# Altium PCB 200330 DISCHARGE R2.PcbDoc (part 1 of 2)
Units mm, origin at the board's own origin, x right, y up, seen from the top; angles counter-clockwise.
Board outline 130 x 110 mm, 4 copper layers (Top Layer, Int1 (GND), Int2 (PWR), Bottom Layer), stack 1.369 mm thick; 198 components, 115 nets, 608 pads, 274 vias.
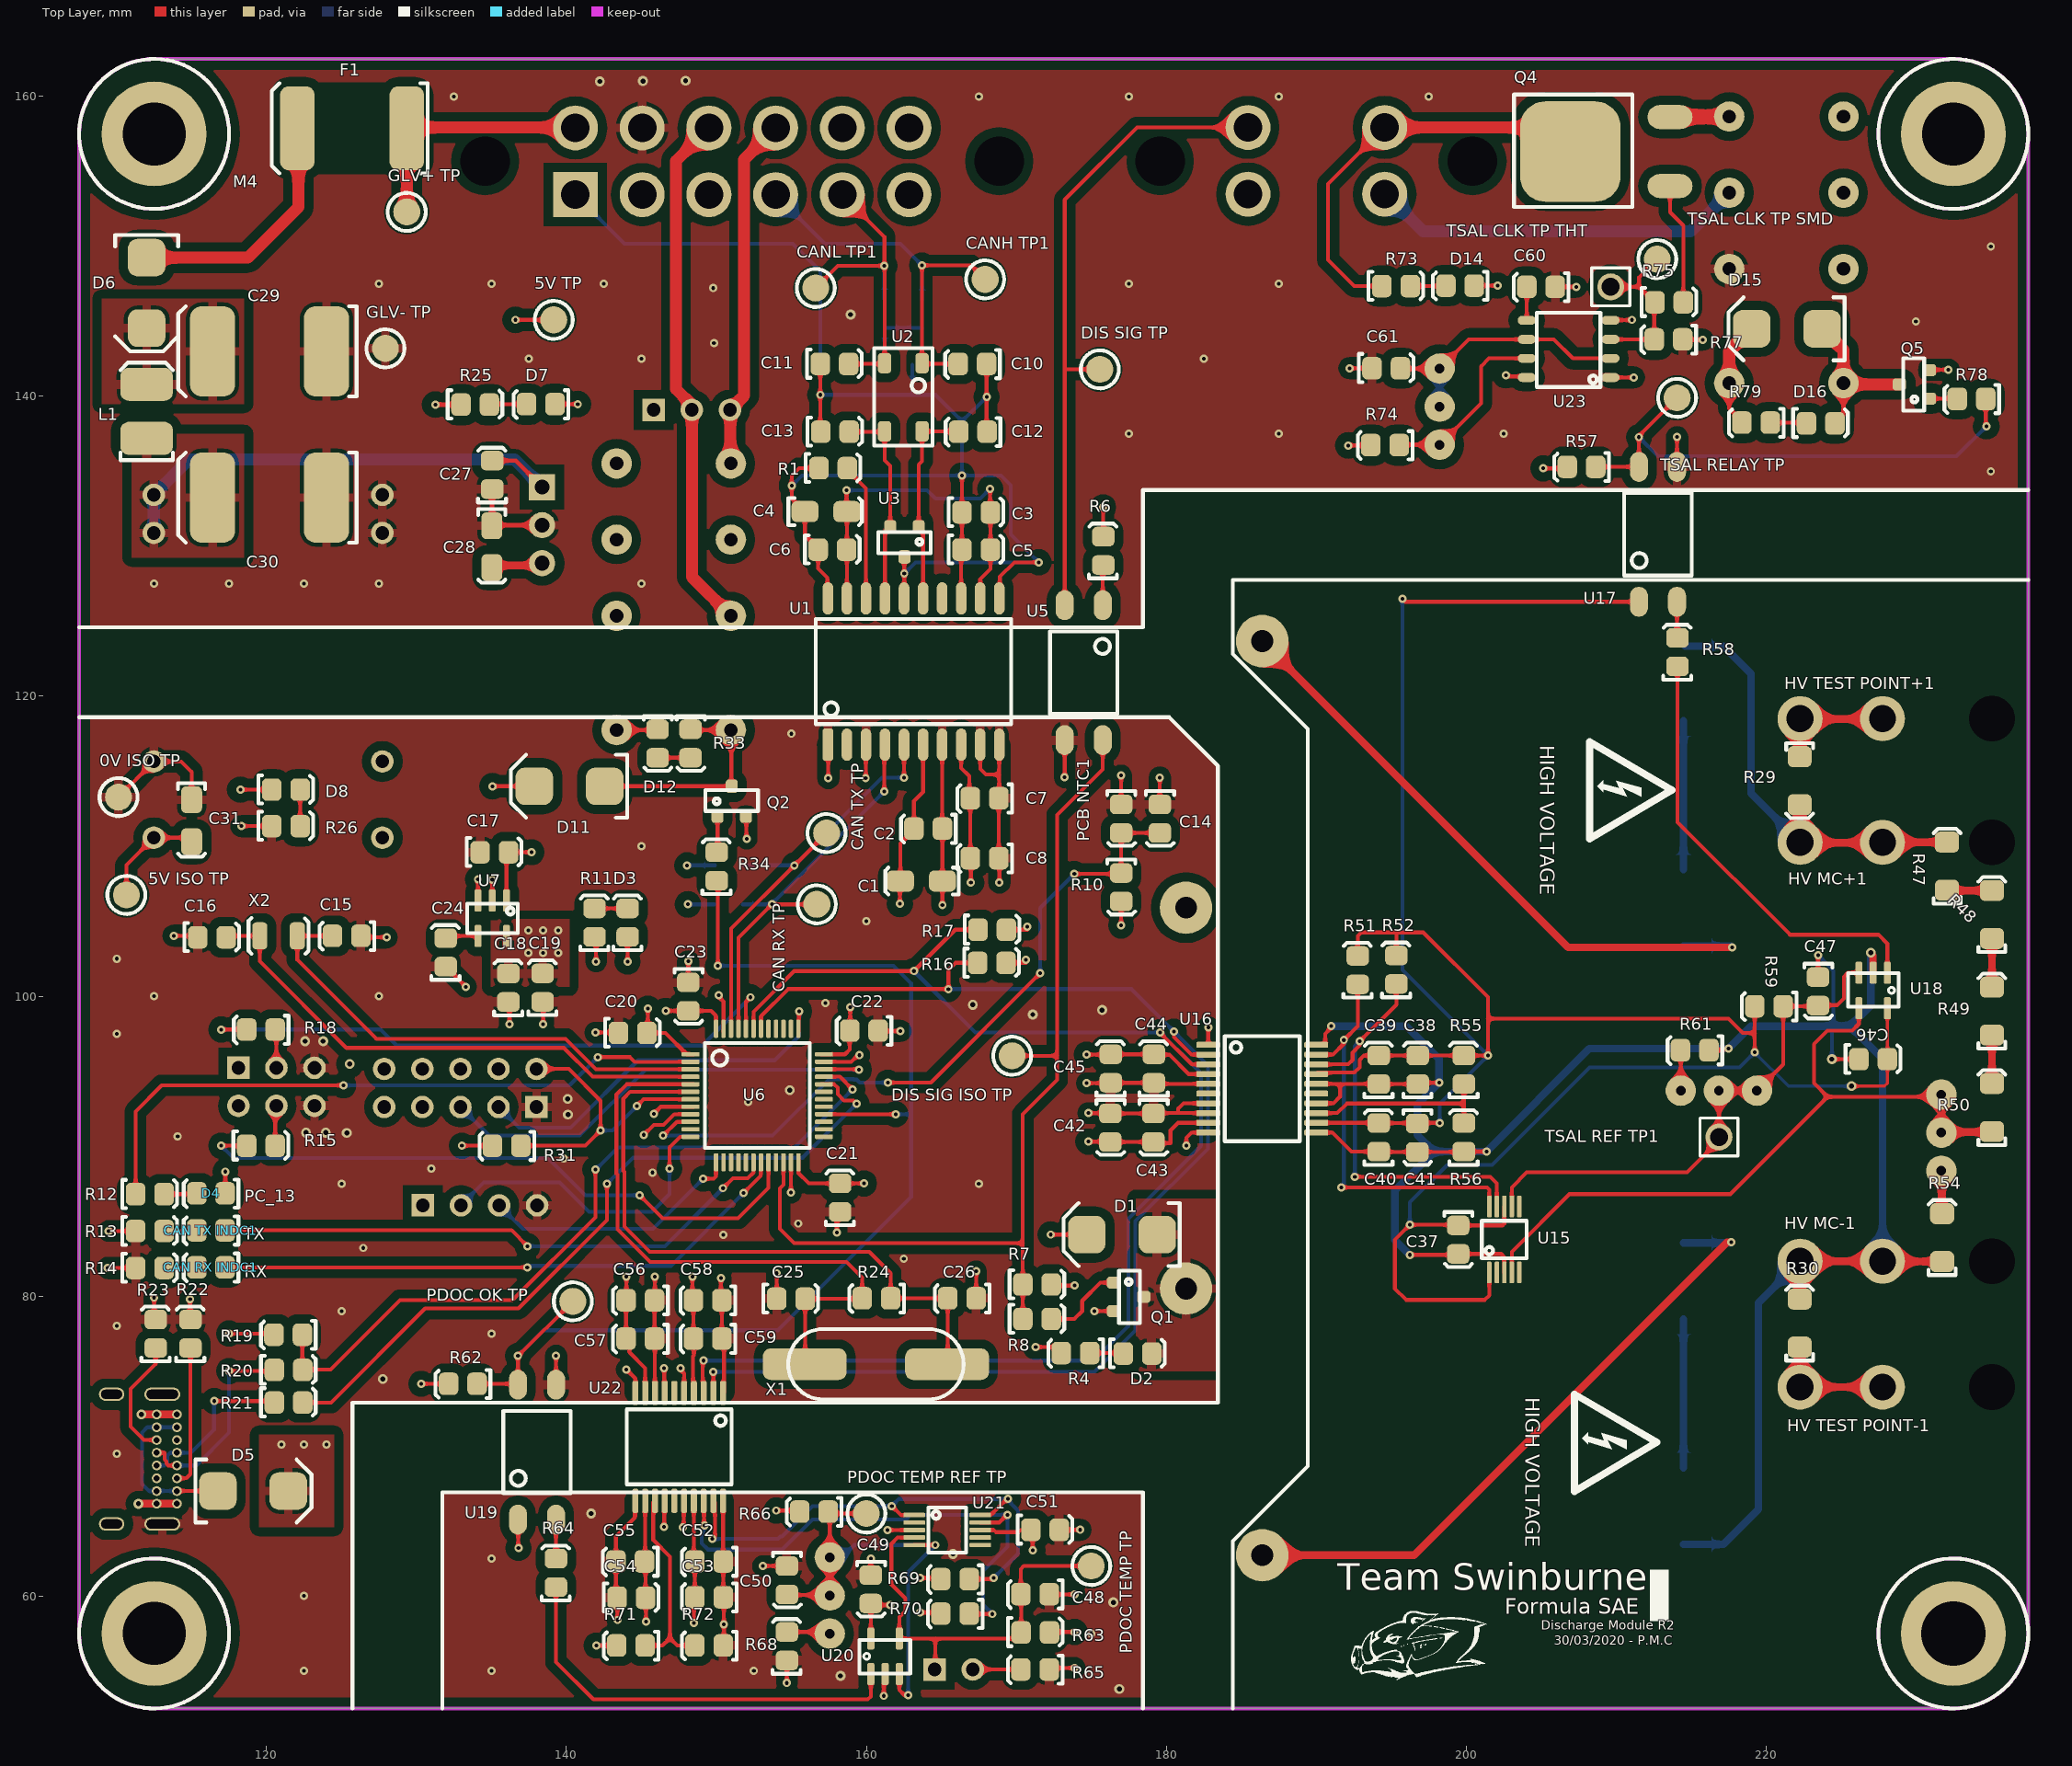
[diagram p0: Top Layer view]
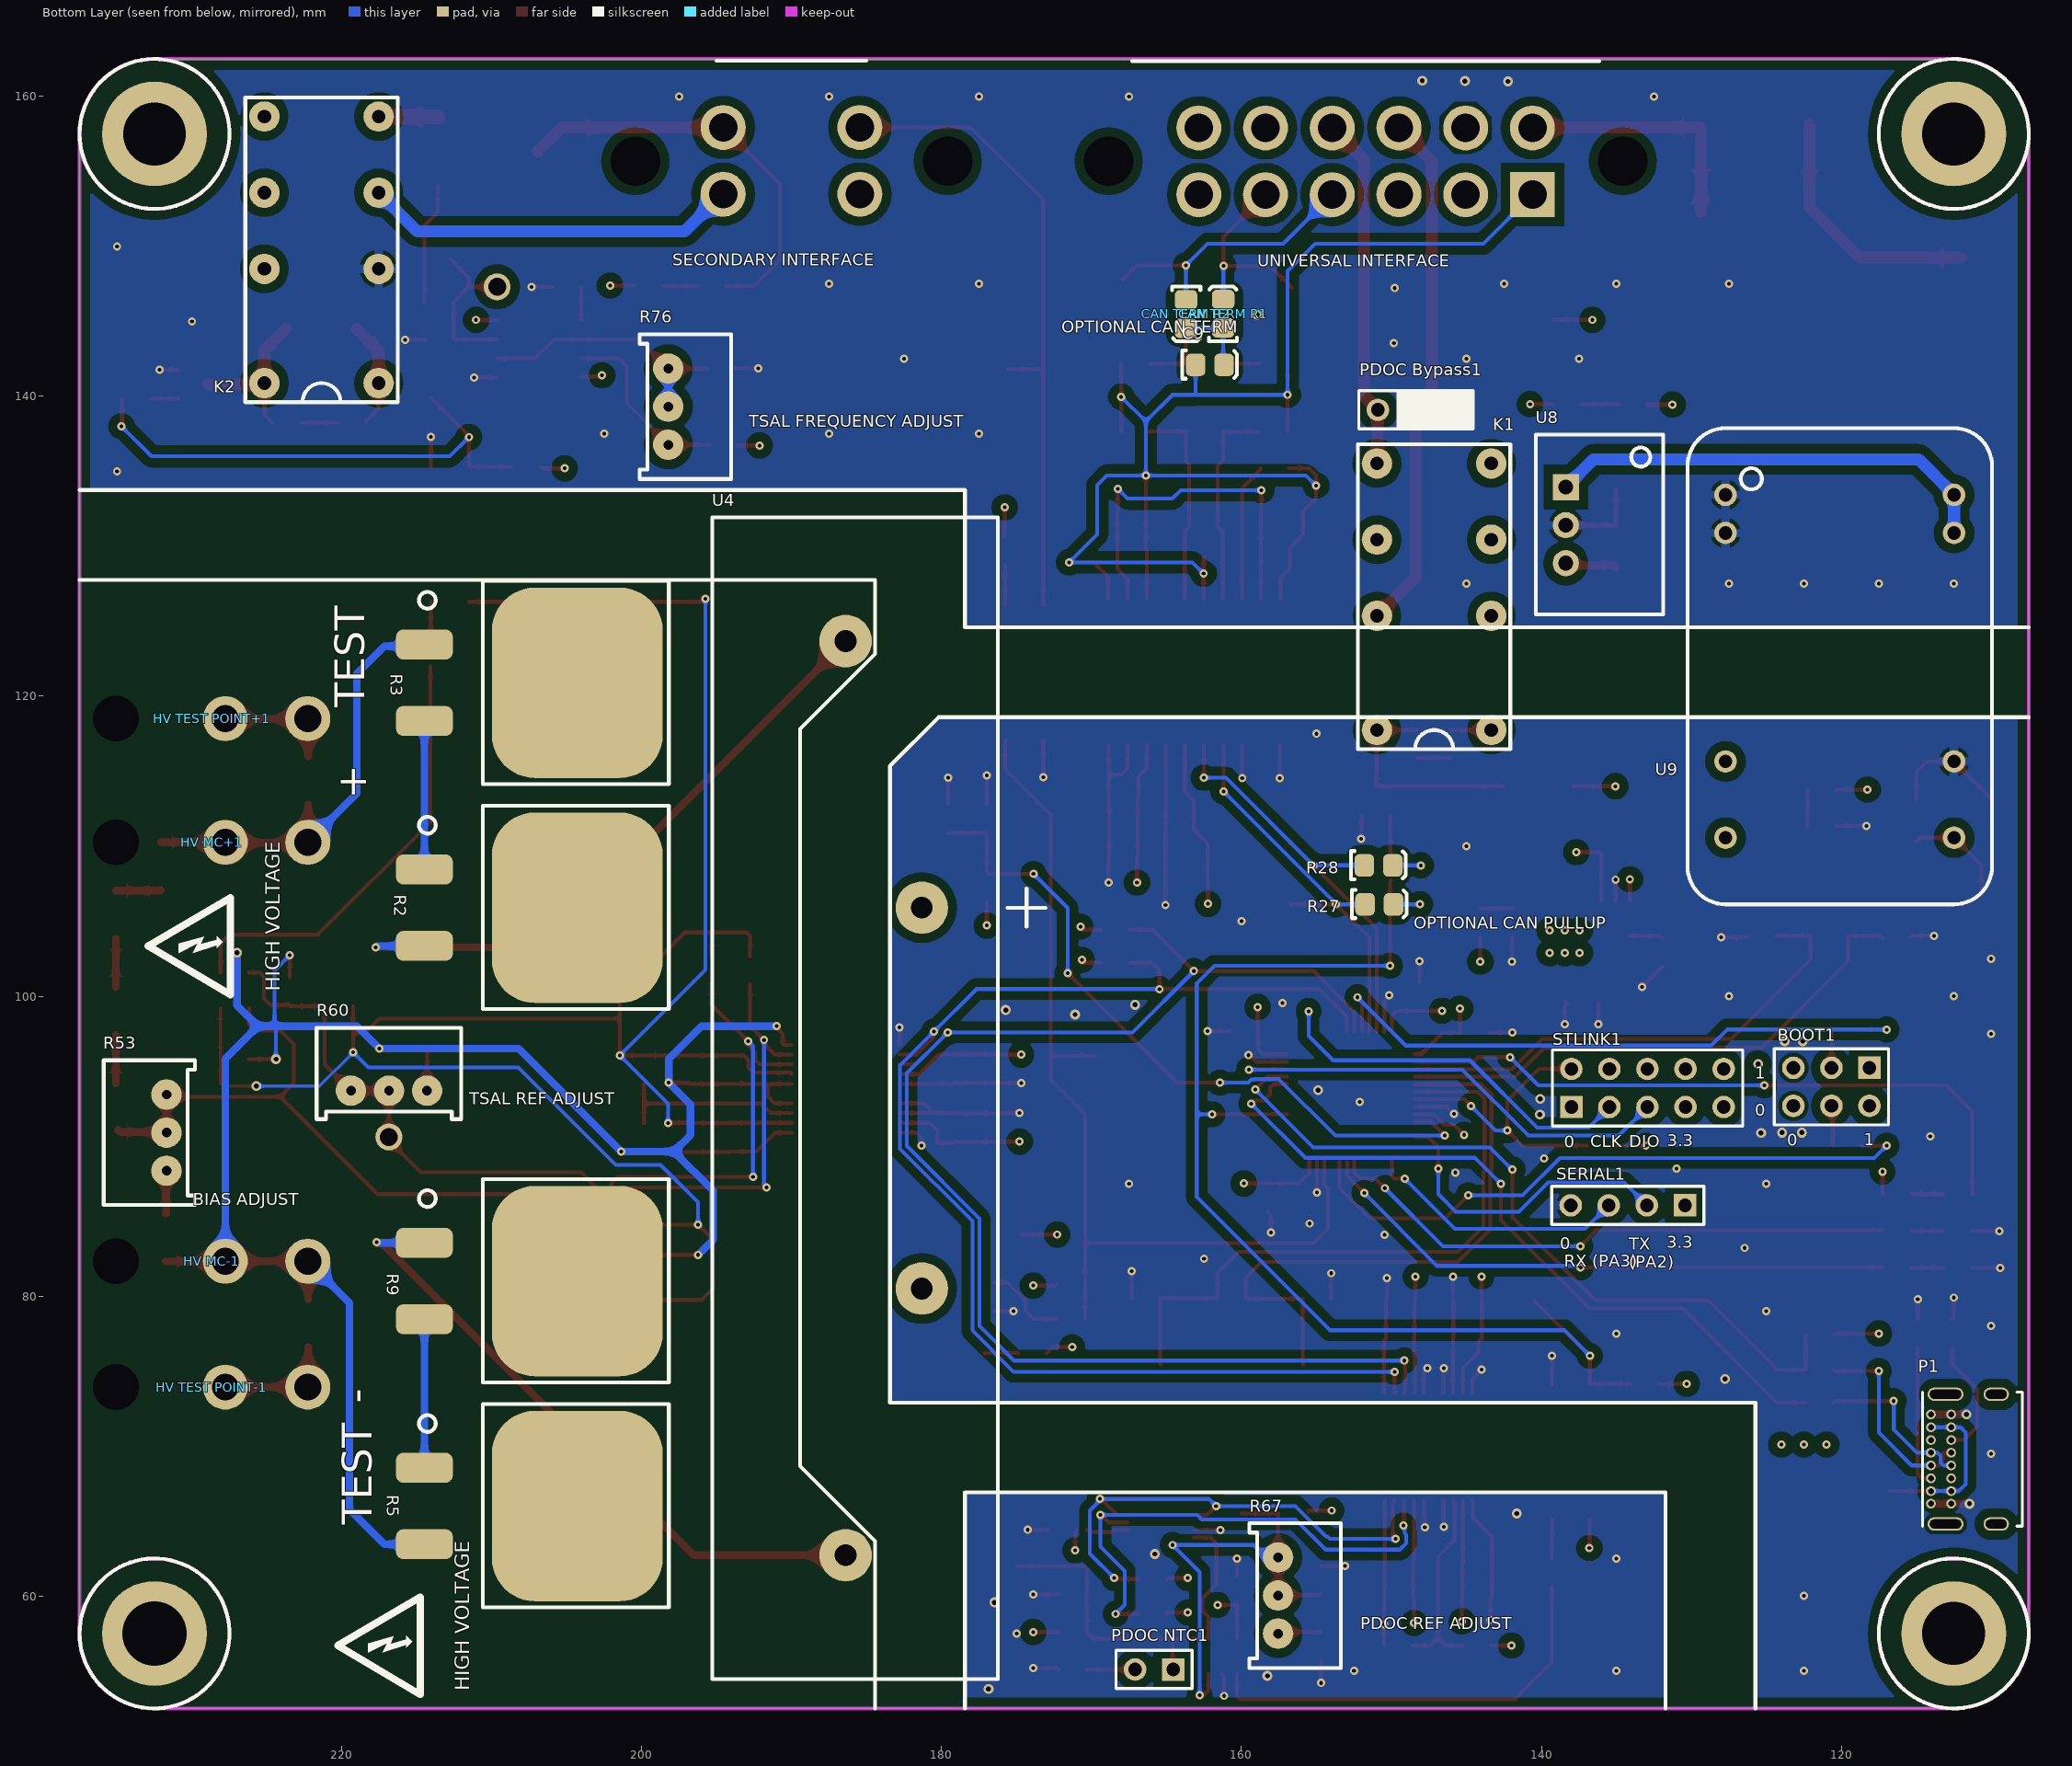
[diagram p1: Bottom Layer view, seen from below]
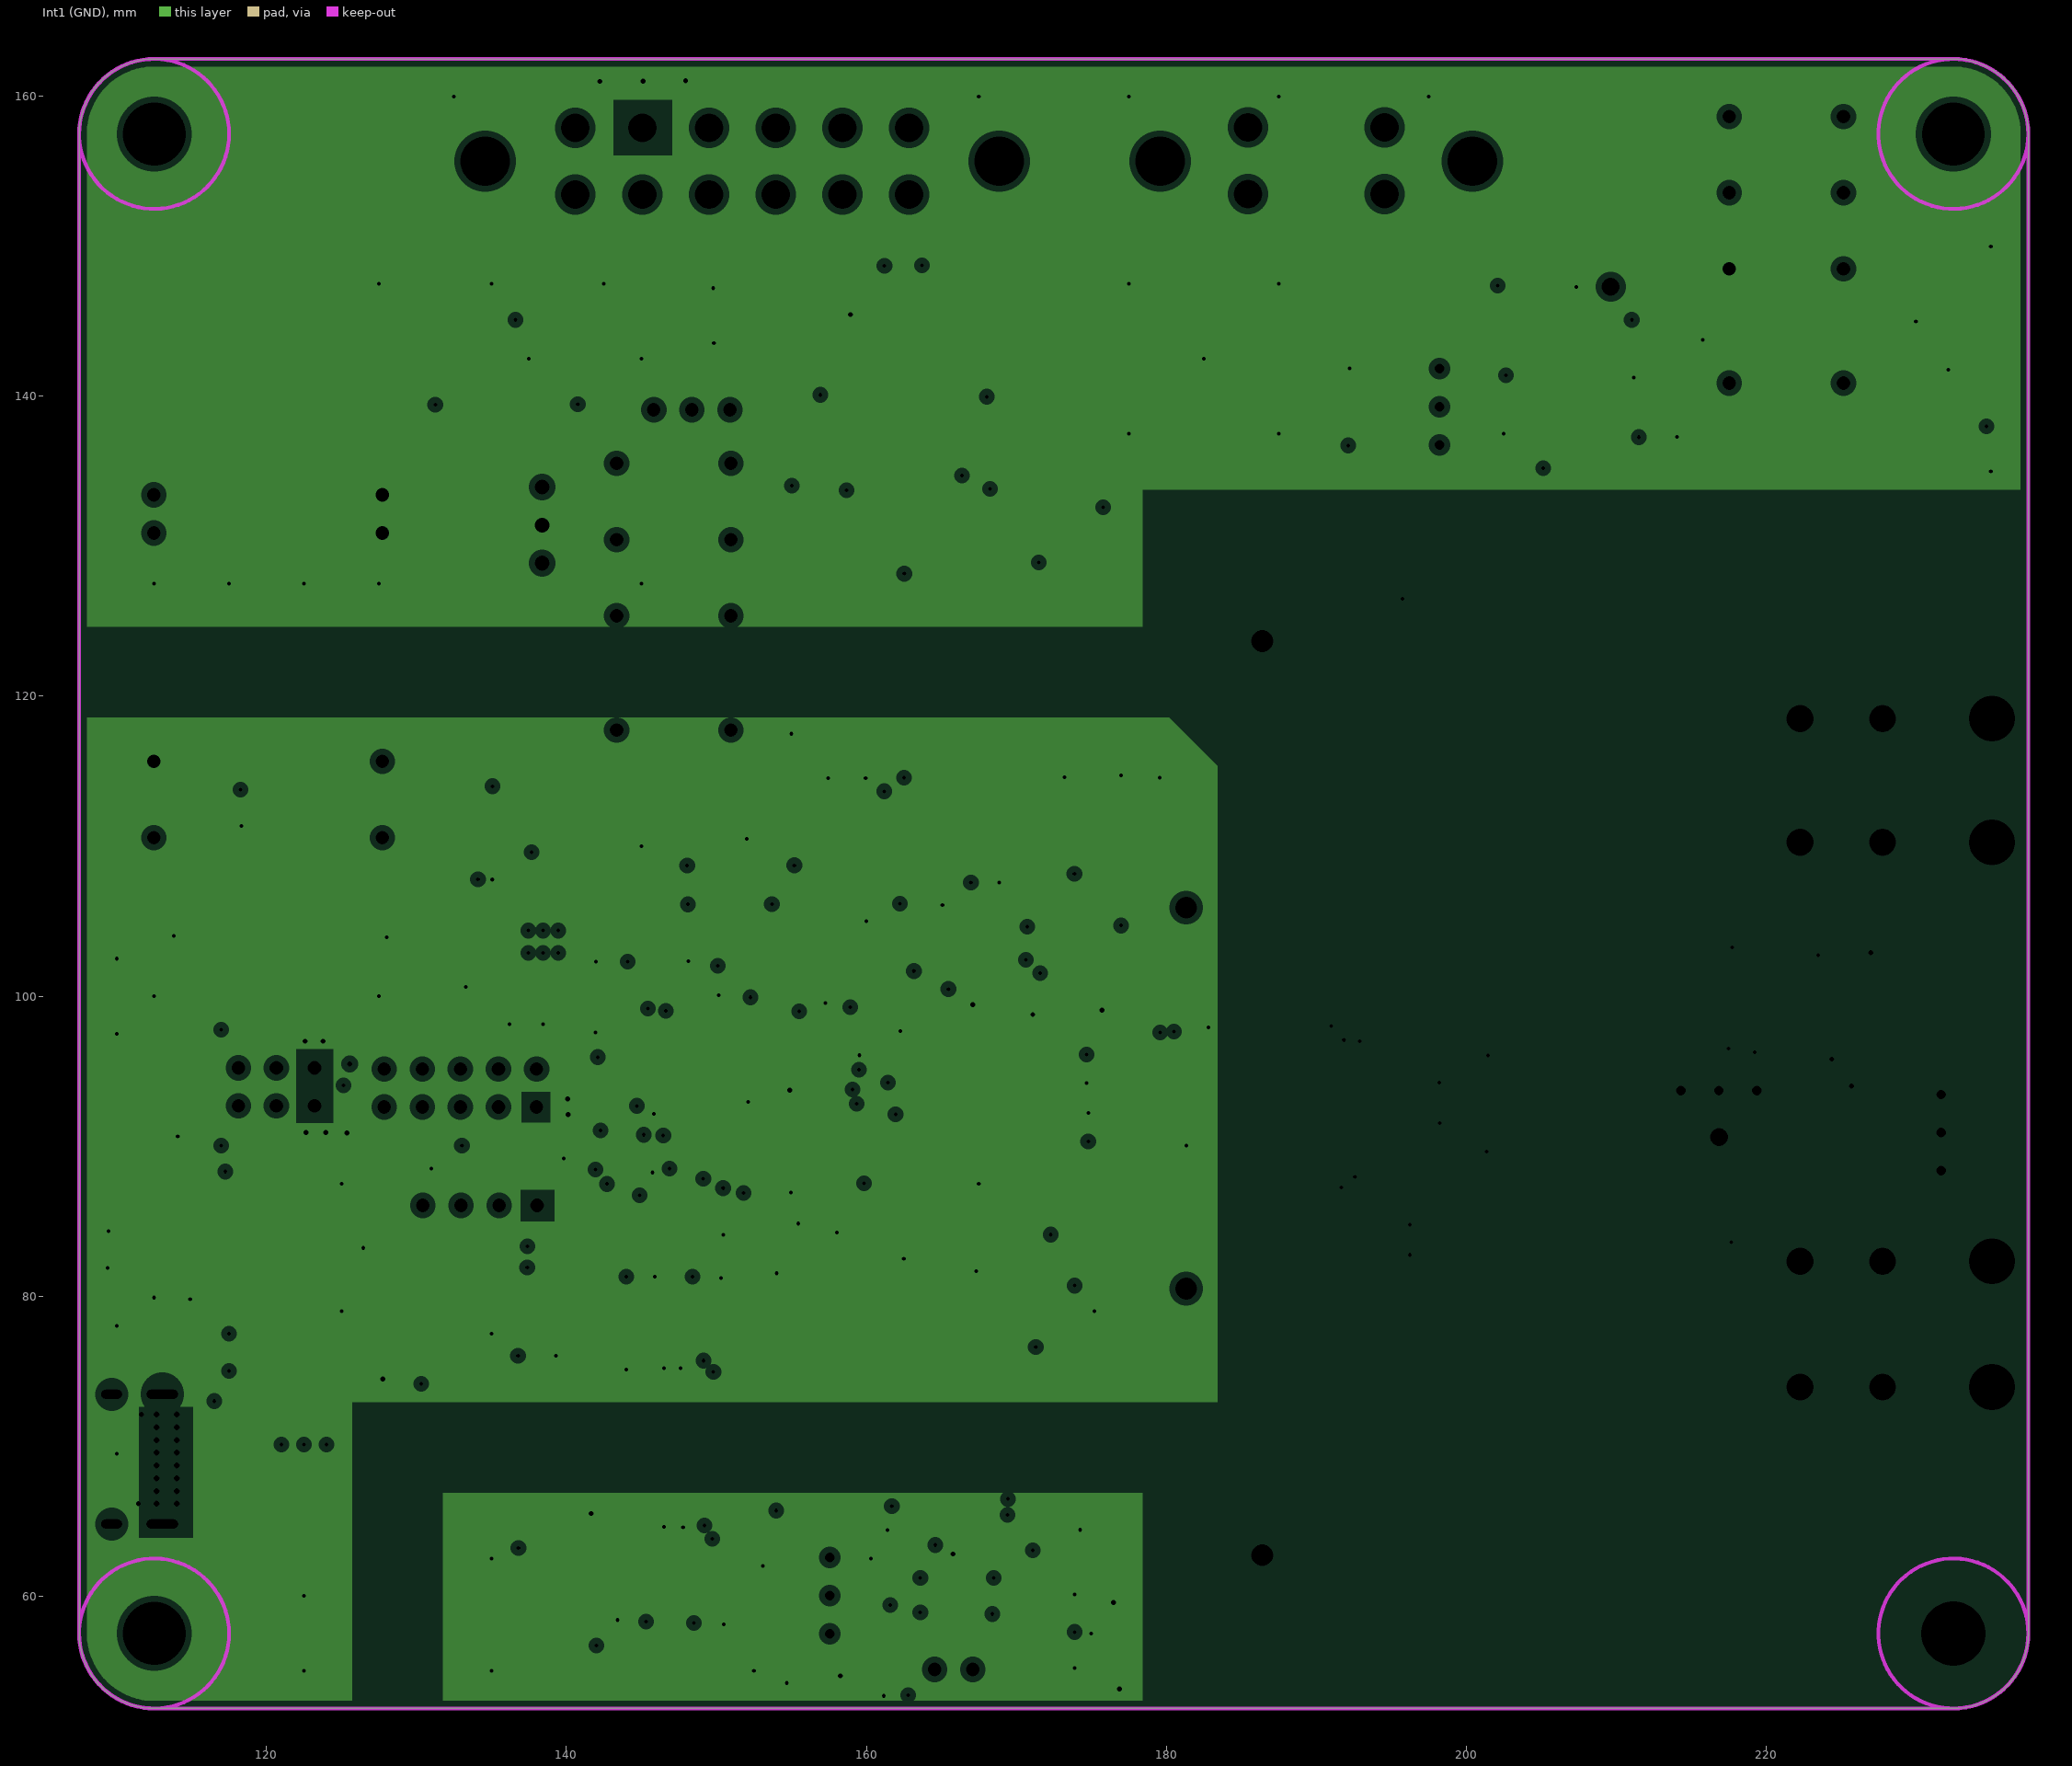
[diagram p2: Int1 (GND), clearances drawn from the general rule]
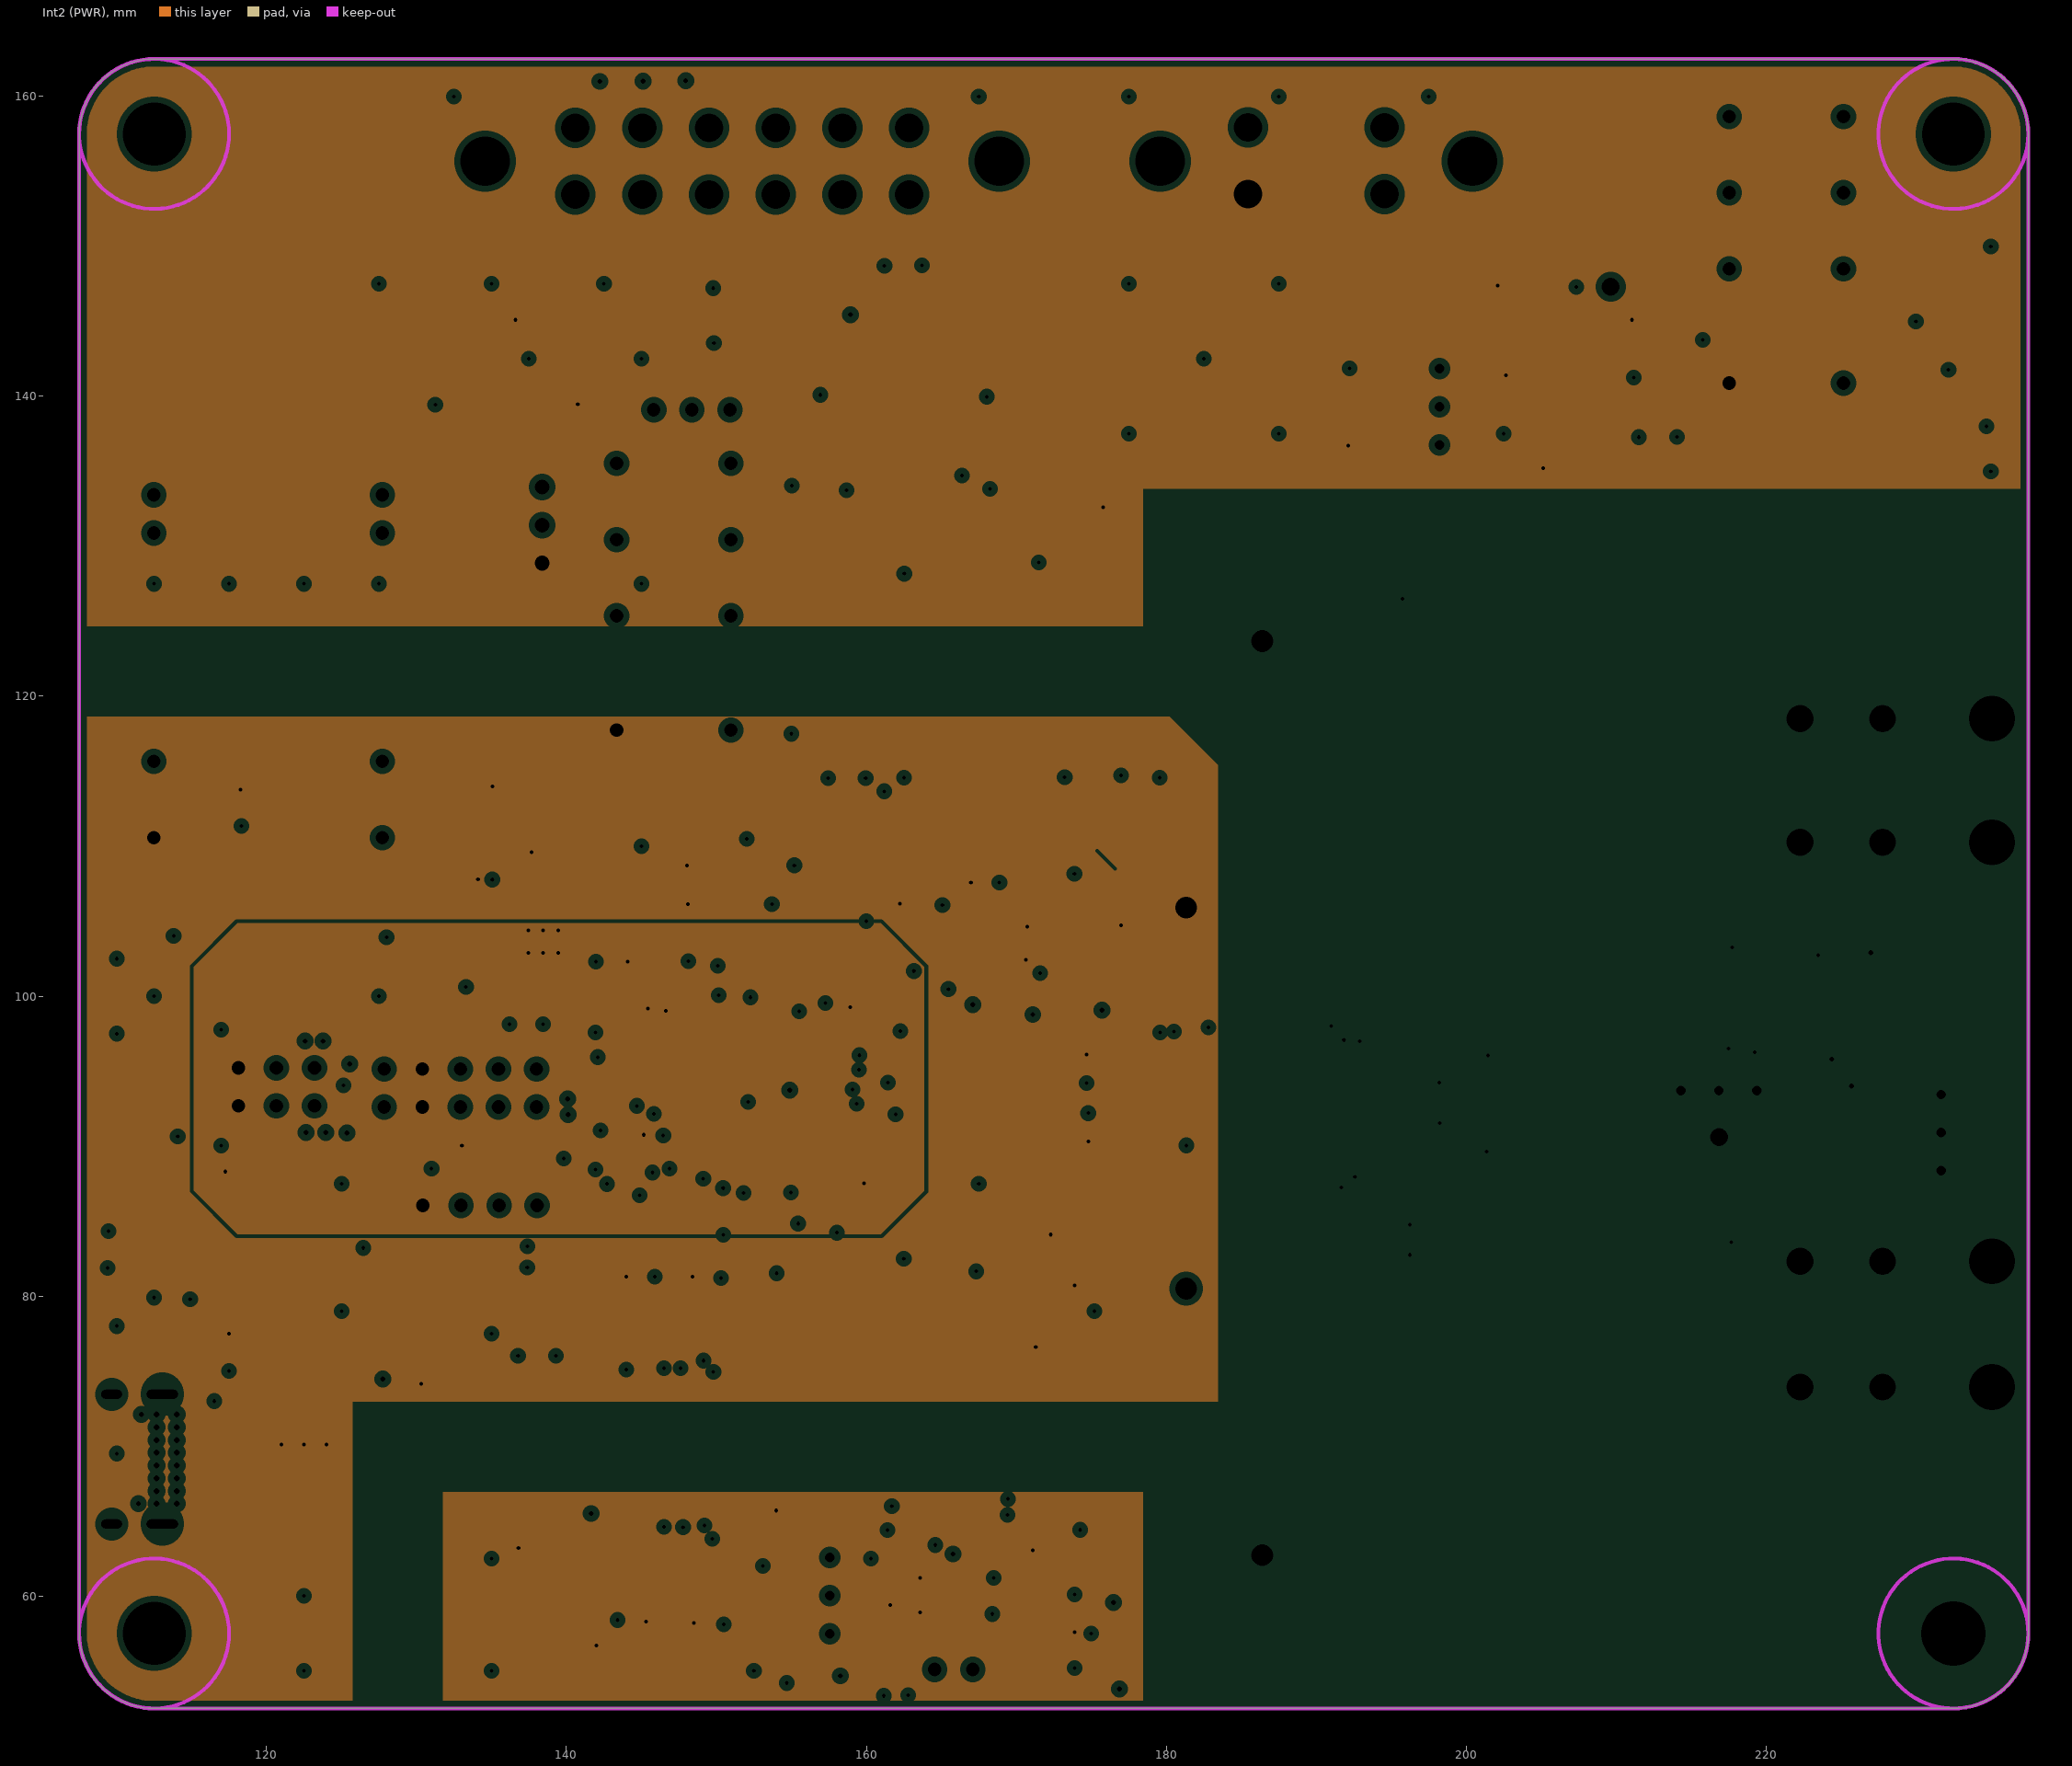
[diagram p3: Int2 (PWR), clearances drawn from the general rule]

## Layer stack, top to bottom
Top Solder: solder mask 0.0254, SM-001, Dk 4
Top Layer: signal copper 0.035
Dielectric 1: prepreg 0.1295, PP-017, Dk 4.3
Dielectric 2: prepreg 0.1295, PP-017, Dk 4.3
Int1 (GND): plane copper 0.035, net (Multiple Nets)
Dielectric 3: core 0.7112, Core-039, Dk 4.8
Int2 (PWR): plane copper 0.035, net (Multiple Nets)
Dielectric 4: prepreg 0.1295, PP-017, Dk 4.3
Dielectric 5: prepreg 0.1295, PP-017, Dk 4.3
Bottom Layer: signal copper 0.035
Bottom Solder: solder mask 0.0254, SM-001, Dk 4

## Board outline
107.5,57.5 107.5,157.5 cw(c112.5,157.5) 112.5,162.5 232.5,162.5 cw(c232.5,157.5) 237.5,157.5 237.5,57.5 cw(c232.5,57.5) 232.5,52.5 112.5,52.5 cw(c112.5,57.5)

## Design rules (kind name [scope] priority, off if disabled: settings)
Clearance [All] p1: gap=0.254 ignorepadtopadclearanceinfootprint=FALSE except(0: Arc-Hole Track-Hole SMDPad-Hole THPad-Hole Via-Hole Fill-Hole Poly-Hole Region-Hole Text-Hole; 0.1: THPad-THPad; 0.152: Arc-SMDPad Track-SMDPad SMDPad-SMDPad; 0.2: Arc-THPad Track-THPad SMDPad-THPad THPad-Via; 0.203: Arc-Arc Arc-Track Arc-Region Track-Track Track-Region SMDPad-Region THPad-Region Via-Region Fill-Region Poly-Region Region-Region; 0.6: Arc-Poly Track-Poly SMDPad-Poly THPad-Poly Via-Poly Fill-Poly Poly-Poly)
Height [All] p1: minheight=0 maxheight=50 prefheight=12.7
HoleSize [All] p1: absolutevalues=TRUE maxlimit=10 minlimit=0.025 maxpercent=80.000 minpercent=20.000
PlaneClearance [All] p1: clearance=0.4
PlaneConnect [All] p1: pad.planeconnectstyle=Relief pad.reliefexpansion=0.508 pad.reliefentries=4 pad.reliefconductorwidth=0.8 pad.reliefairgap=0.254 via.planeconnectstyle=Direct via.reliefexpansion=0.508 via.reliefentries=4 via.reliefconductorwidth=0.8 via.reliefairgap=0.254
PolygonConnect [All] p1: thpad.connectstyle=Relief thpad.reliefconductorwidth=0.6 thpad.reliefentries=4 thpad.polygonreliefangle="90 Angle" thpad.airgapwidth=0.254 smdpad.connectstyle=Relief smdpad.reliefconductorwidth=0.6 smdpad.reliefentries=4 smdpad.polygonreliefangle="90 Angle" smdpad.airgapwidth=0.254 via.connectstyle=Direct via.reliefconductorwidth=0.6 via.reliefentries=4 via.polygonreliefangle="90 Angle" via.airgapwidth=0.254
RoutingVias [All] p1: holewidth=0.711 width=1.27 viastyle="Through Hole" minholewidth=0.203 minwidth=0.254 maxholewidth=0.711 maxwidth=1.27
SolderMaskExpansion [All] p1: expansion=0.051
Width [All] p1: maxlimit=3 minlimit=0.127 preferedwidth=0.5
26 further rules are at their usual default settings.

## Classes and differential pairs
component class U_TSAL: C60 C61 D14 D15 D16 K2 Q4 Q5 R73 R74 R75 R76 R77 R78 R79 "TSAL CLK TP SMD" "TSAL CLK TP THT" "TSAL RELAY TP" U23
component class "U_Safety Loops": D11 D12 K1 "PDOC Bypass1" Q2 R33 R34
component class "U_Power Supply": "0V ISO TP" "5V ISO TP" "5V TP" C27 C28 C29 C30 C31 D6 D7 D8 F1 "GLV+ TP" "GLV- TP" L1 R25 R26 U8 U9
component class U_PDOC: C48 C49 C50 C51 C52 C53 C54 C55 C56 C57 C58 C59 "PDOC NTC1" "PDOC OK TP" "PDOC TEMP REF TP" "PDOC TEMP TP" R62 R63 R64 R65 R66 R67 R68 R69 R70 R71 R72 U19 U20 U21 U22
component class U_Microcontroller: BOOT1 C14 C15 C16 C17 C18 C19 C20 C21 C22 C23 C24 C25 C26 "CAN RX INDC1" "CAN TX INDC1" D3 D4 D5 P1 "PCB NTC1" R10 R11 R12 R13 R14 R15 R16 R17 R18 R19 R20 R21 R22 R23 R24 R27 R28 R31 SERIAL1 STLINK1 U6 U7 X1 X2
component class "U_HV Sense": C37 C38 C39 C40 C41 C42 C43 C44 C45 C46 C47 R47 R48 R49 R50 R51 R52 R53 R54 R55 R56 R57 R58 R59 R60 R61 "TSAL REF TP1" U15 U16 U17 U18
component class U_Discharge: D1 D2 "DIS SIG ISO TP" "DIS SIG TP" Q1 R2 R3 R4 R5 R6 R7 R8 R9 U4 U5
component class U_CAN: C1 C2 C3 C4 C5 C6 C7 C8 C9 C10 C11 C12 C13 "CAN RX TP" "CAN TERM R1" "CAN TERM R2" "CAN TX TP" "CANH TP1" "CANL TP1" R1 U1 U2 U3
component class "Top Level": "HV MC+1" "HV MC-1" "HV TEST POINT+1" "HV TEST POINT-1" R29 R30 "SECONDARY INTERFACE" "UNIVERSAL INTERFACE"
